# Altium PCB MIN_MOW_Moway_V3 PCB.PcbDoc (part 2 of 2)
Units mm, origin at the board's own origin, x right, y up, seen from the top; angles counter-clockwise.
Board outline 85.53 x 38 mm, 4 copper layers (Top Layer, Mid-Layer 1, Mid-Layer 2, Bottom Layer), stack 1 mm thick; 188 components, 131 nets, 594 pads, 338 vias.
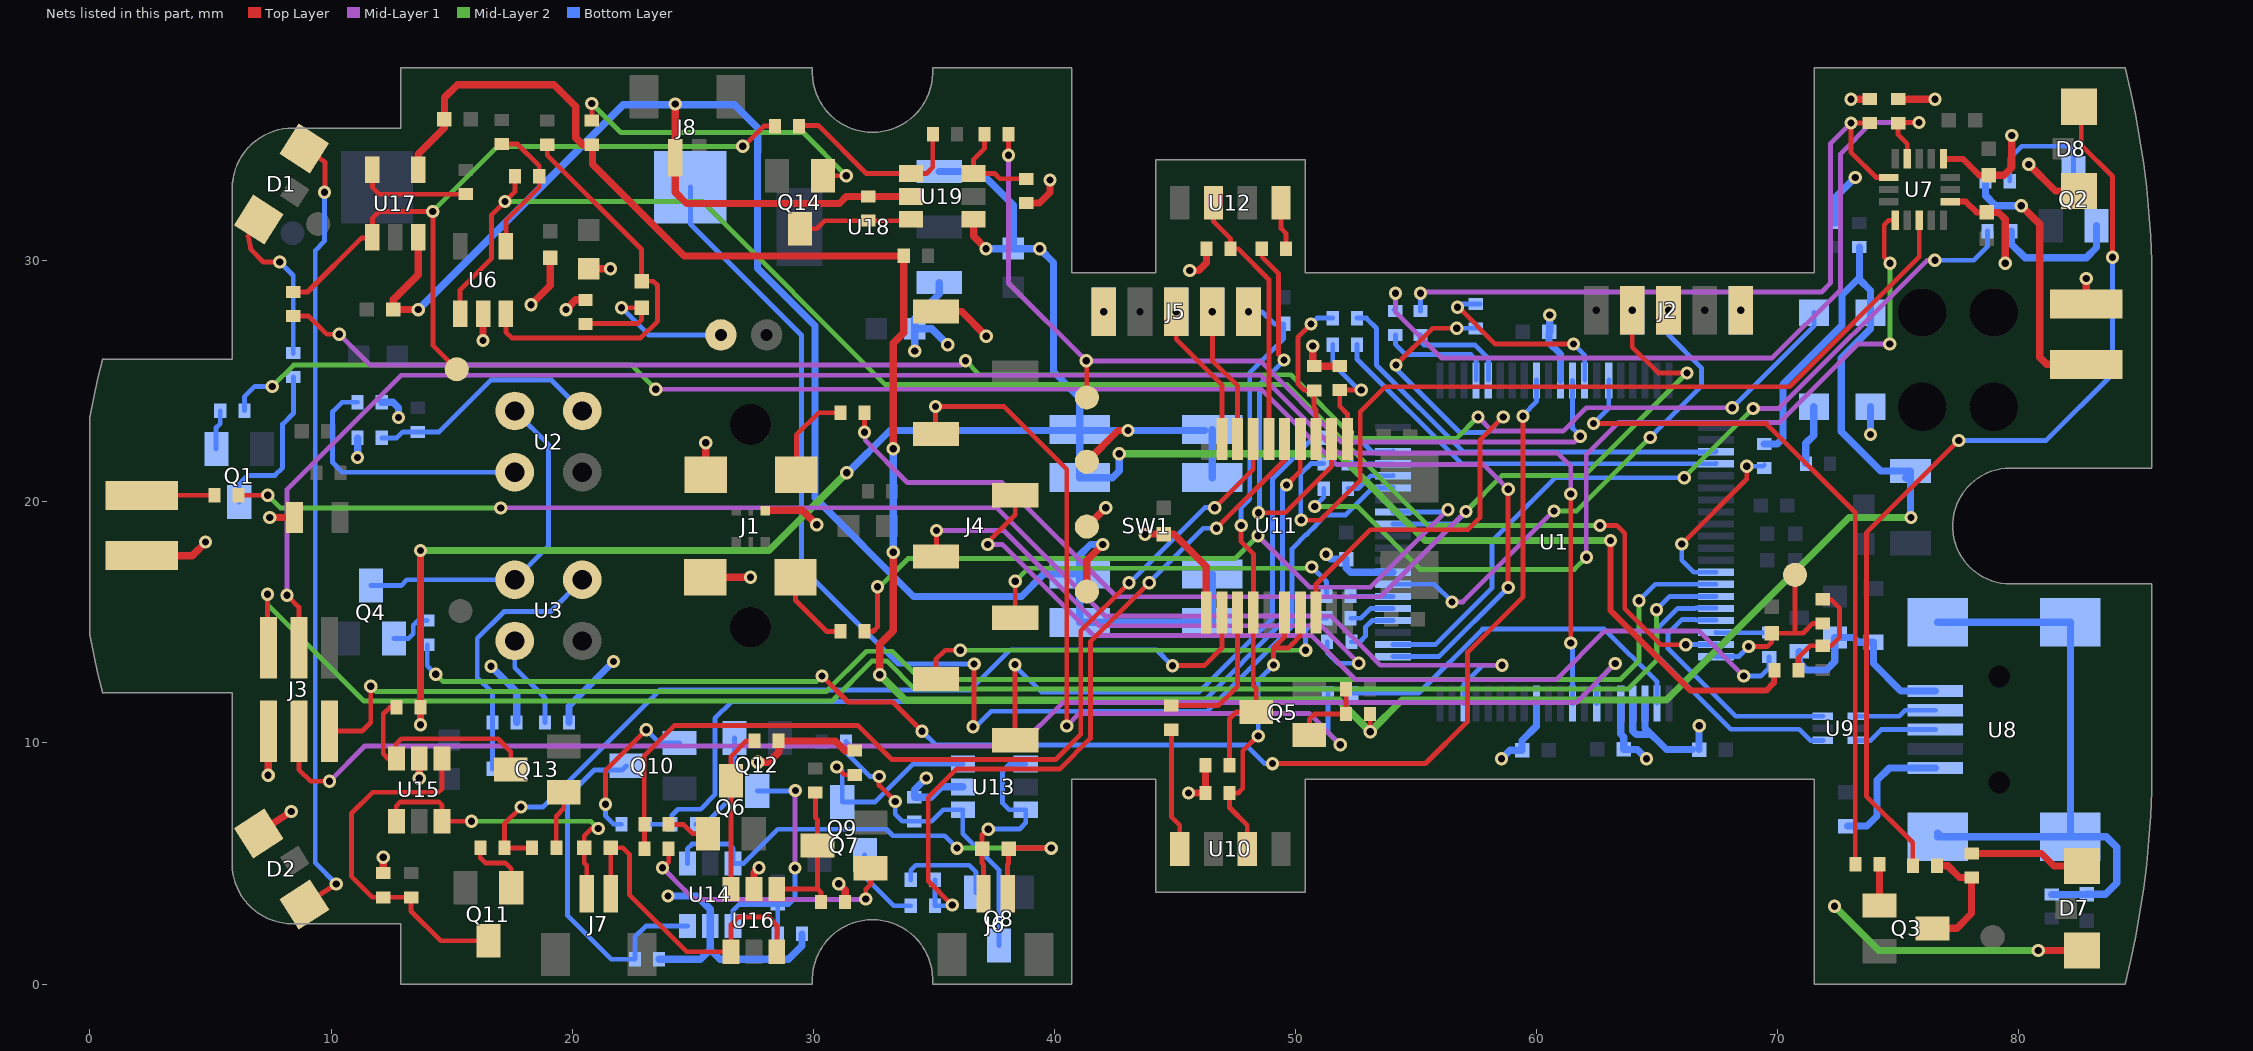
[diagram p4: the nets of this part, all layers, seen from the top]

## Via types
v1: diameter 0.55, hole 0.3, Top Layer to Bottom Layer, tented both sides, 338 vias

## Nets (pads, with @x,y where several pads share a name; then routed paths per layer and width w, separated by ;. In a path a pad name is that pad's centre, name@x,y a point inside that pad or via, vN(x,y) a via of type N, cw(c..) or ccw(c..) an arc to the next point about the centre after c; other vN are vias at no path point) (continued)
NetC19_2: C19.2 R44.2 U8.6 U8.7 U8.8 U8.9 | length 26.6
  Bottom Layer w0.3: U8.6@76.645,6.107 U8.6@76.795,6.107 ; U8.6@76.645,6.257 U8.6@76.795,6.107 ; U8.9@76.645,15.007 U8.8@82.145,15.007 U8.7@82.145,6.107 ; R44.2@81.376,3.72 82.814,3.72 C19.2@82.818,3.725 83.6,3.725 84.069,4.194 84.069,5.672 83.634,6.107 U8.7@82.145,6.107 U8.6@76.795,6.107
NetC21_1: C21.1 R46.2 U6.3 | length 16.9
  Top Layer w0.2: U6.3@17.255,27.805 17.255,27.04 17.495,26.8 22.843,26.8 23.543,27.5 23.543,28.975 23.363,29.155 C21.1@22.88,29.155 22.88,30.47 18.967,34.383 R46.2@18.967,34.814
NetC21_2: C21.2 MK1.2 R45.1 | length 8.3
  Top Layer w0.2: R45.1@20.555,27.405 22.73,27.405 22.88,27.555 C21.2@22.88,28.055 22.055,28.055 v1(22.05,28.05)
  Bottom Layer w0.2: v1(22.05,28.05) 23.173,26.927 MK1.2@26.17,26.927
NetC23_1: C23.1 J6.2 U13.4 U13.6 | length 8.5
  Top Layer w0.2: C23.1@37,5.639 37,5.029 37.064,4.965 J6.2@37.064,3.751 ; C23.1@37.008,5.639 37.008,6.198 37.236,6.426 v1(37.262,6.426)
  Bottom Layer w0.2: v1(37.262,6.426) 38.557,6.426 38.815,6.684 U13.6@38.815,7.231 38.13,7.231 37.855,7.507 37.855,8.831 38.156,9.131 U13.4@38.815,9.131
NetC23_2: C23.2 J6.1 U14.4 U14.6 | length 21.1
  Top Layer w0.2: J6.1@38.064,3.751 38.064,4.968 38.1,5.004 C23.2@38.1,5.639 ; C23.2@38.108,5.639 v1(39.878,5.639)
  Mid-Layer 2 w0.2: v1(35.966,5.639) v1(39.878,5.639)
  Bottom Layer w0.2: U14.4@24.78,5.005 24.78,5.611 24.974,5.805 26.505,5.805 26.68,5.63 U14.6@26.68,5.005 27.117,5.005 28.537,6.425 33.04,6.425 33.311,6.154 35.451,6.154 v1(35.966,5.639)
NetC24_1: C24.1 J7.2 U15.4 U15.6 | length 13.1
  Top Layer w0.2: U15.4@12.709,6.754 12.709,7.384 12.879,7.554 14.465,7.554 14.609,7.41 U15.6@14.609,6.754 15.822,6.754 v1(15.824,6.756) ; J7.2@20.605,3.751 20.605,4.92 20.505,5.02 C24.1@20.505,5.655 20.505,6.154 20.803,6.452 v1(21.082,6.452)
  Mid-Layer 2 w0.2: v1(15.824,6.756) 20.777,6.756 v1(21.082,6.452)
NetC24_2: C24.2 J7.1 U16.4 U16.6 | length 15.3
  Top Layer w0.2: 21.605,4.953 J7.1@21.605,3.751 C24.2@21.605,5.655 22.107,5.655 22.377,5.385 22.377,3.708 24.747,1.339 U16.4@26.59,1.339 ; U16.4@26.593,1.339 26.593,2.468 26.912,2.787 28.148,2.787 28.493,2.442 U16.6@28.493,1.339
NetC26_2: C26.2 D10.1 F1.1 R36.1 R37.2 R49.1 R80.2 R83.2 U17.4 | length 115.5
  Top Layer w0.2: R49.1@53.095,11.202 53.106,11.191 53.105,11.189 v1(53.105,10.465)
  Top Layer w0.3: U17.4@13.619,33.769 13.619,34.428 14.701,35.511 14.701,36.758 15.243,37.3 19.25,37.3 20.15,36.4 20.15,35.1 20.436,34.814 R80.2@20.821,34.814 ; R80.2@20.847,34.814 20.847,34.003 24.649,30.201 33.751,30.201 R83.2@33.755,30.205 33.755,27.015 33.325,26.585 v1(33.325,22.2) ; v1(32.759,12.827) 32.759,14.09 33.325,14.656 v1(33.325,17.907)
  Mid-Layer 2 w0.3: v1(32.759,12.827) 33.817,11.769 51.8,11.769 v1(53.105,10.465) 54.423,11.783 58.865,11.783 ; 58.865,11.783 65.396,11.783 72.968,19.355 v1(75.54,19.355)
  Bottom Layer w0.3: v1(33.325,17.907) v1@33.325,22.149 ; R36.1@69.45,22.4 69.986,22.4 70.225,22.638 70.225,24.875 72.675,27.325 72.675,28.581 73.38,29.286 73.404,29.263 73.404,29.218 73.855,28.766 73.855,27.18 72.639,25.964 72.639,22.916 74.268,21.287 F1.1@75.514,21.287 75.514,19.38 v1(75.54,19.355) ; 73.393,29.299 R37.2@73.393,30.575 ; F1.1@75.312,21.006 F1.1@75.336,20.982
NetC29_2: C29.2 R82.2 TP3.1 U1.20 | length 7.6
  Top Layer w0.2: v1(68.8,14) 69.575,14 69.755,14.18 C29.2@69.755,14.555 70.727,14.555 ; TP3.1@70.727,16.975 70.727,14.555 ; R82.2@71.873,14.963 71.463,14.963 71.055,14.555 70.727,14.555
  Bottom Layer w0.2: U1.20@67.446,13.581 68.381,13.581 v1(68.8,14)
NetC31_2: C31.2 J5.1 Q5.3 R48.1 U11.4 | length 22.1
  Top Layer w0.2: R48.1@47.268,9.075 47.268,11.005 47.543,11.28 Q5.3@48.38,11.28 48.38,12.263 48.255,12.388 U11.4@48.255,15.413 ; v1(47.75,19.025) 47.75,18.35 48.256,17.844 U11.4@48.256,15.24
  Bottom Layer w0.2: v1(47.75,19.025) 47.75,19.75 48.108,20.108 48.108,25.349 49.505,26.746 C31.2@49.505,27.381 49.124,27.381 48.616,27.889 J5.1@48.056,27.889
NetD1_1: D1.1 R1.2 | length 7.5
  Top Layer w0.2: D1.1@6.67,31.374 D1.1@7.004,31.708 6.562,31.019 6.684,30.464 7.196,29.951 v1(7.869,29.951)
  Bottom Layer w0.2: v1@7.869,30.127 v1(7.869,29.951) 8.43,29.39 R1.2@8.43,26.18 R1.2@8.43,26.155
NetD1_2: D1.2 D2.1 | length 33.1
  Top Layer w0.2: D1.2@8.893,34.655 9.736,34.115 9.745,34.073 9.745,32.859 v1(9.728,32.842) ; D2.1@8.895,3.301 v1@10.206,4.142
  Bottom Layer w0.2: v1(9.728,32.842) 9.728,30.81 9.343,30.425 9.343,5.025 v1(10.218,4.15)
NetD3_1: D3.1 R4.2 | length 10.9
  Top Layer w0.3: v1(80.106,32.286) 80.875,31.517 80.875,26 81.17,25.705 D3.1@82.805,25.705
  Bottom Layer w0.3: R4.2@78.63,33.305 78.63,32.695 79.039,32.286 v1(80.106,32.286)
NetD4_2: D4.2 R9.2 | length 3.9
  Top Layer w0.2: D4.2@29.295,21.127 29.305,21.137 29.305,22.78 30.225,23.7 R9.2@31.125,23.7
NetD5_2: D5.2 R13.2 | length 3.8
  Top Layer w0.2: D5.2@28.955,17.08 D5.2@29.27,16.765 ; D5.2@29.27,16.877 D5.2@29.27,16.765 ; R13.2@31.125,14.625 30.555,14.625 29.27,15.91 D5.2@29.27,16.765
NetD6_2: D6.2 R14.2 | length 3
  Top Layer w0.2: D6.2@2.152,20.269 2.158,20.275 R14.2@5.168,20.275
NetD7_1: D7.1 R15.2 | length 4.8
  Top Layer w0.3: R15.2@78.048,5.417 80.943,5.417 81.463,4.897 D7.1@82.625,4.897
NetD8_1: D8.1 R20.2 | length 39.2
  Top Layer w0.2: R20.2@75.61,4.909 75.61,5.873 73.685,7.798 73.685,18.717 v1(77.518,22.55) ; D8.1@82.5,36.393 82.6,36.293 82.6,34.8 83.893,33.507 v1(83.893,30.15)
  Bottom Layer w0.2: v1(77.518,22.55) 81.143,22.55 83.893,25.3 v1(83.893,30.15)
NetD9_2: D9.2 R75.2 | length 2.5
  Bottom Layer w0.3: R75.2@71.171,21.59 71.171,22.428 71.5,22.757 71.5,23.95 D9.2@71.505,23.955
NetD10_2: D10.2 R76.2 | length 68.3
  Top Layer w0.2: R76.2@8.43,27.705 9.068,27.705 9.823,26.95 v1(10.343,26.95)
  Mid-Layer 1 w0.2: v1(10.343,26.95) 11.618,25.675 36.143,25.675 v1(36.318,25.85) ; v1(57.575,23.525) 58.164,22.936 61.105,22.936 62.07,23.901 62.071,23.9 62.072,23.901 v1(68.123,23.901)
  Mid-Layer 2 w0.2: v1(36.318,25.85) 36.893,25.275 49.818,25.275 52.468,22.625 56.675,22.625 v1(57.575,23.525)
  Bottom Layer w0.2: v1(68.123,23.901) 71.505,27.284 D10.2@71.505,27.855
NetD11_2: D11.2 L1.2 R40.1 U8.1 | length 8.8
  Bottom Layer w0.3: L1.2@70.9,13.8 70.9,13.325 71.2,13.025 72.025,13.025 72.375,13.375 R40.1@72.375,14.375 73.15,14.375 73.35,14.175 D11.2@73.975,14.175 73.975,13.297 75.115,12.157 U8.1@76.545,12.157
NetJ2_3: J2.3 U1.47 | length 20.5
  Mid-Layer 1 w0.2: v1(56.5,15.85) 56.95,15.85 v1(60.725,19.625)
  Mid-Layer 2 w0.2: v1(60.725,19.625) 61.669,19.625 v1(64.718,22.675)
  Bottom Layer w0.2: U1.47@54.046,16.581 55.769,16.581 v1(56.5,15.85) ; v1(64.718,22.675) 66.843,24.8 66.843,25.563 65.476,26.931 J2.3@65.476,27.94
NetJ2_4: J2.4 R9.1 U1.52 | length 49.4
  Top Layer w0.2: R9.1@32.125,23.7 32.125,22.8 32.131,22.806 v1(32.131,22.885) ; J2.4@63.976,27.94 63.976,26.423 65.049,25.35 v1(66.243,25.35)
  Mid-Layer 1 w0.2: v1(32.131,22.885) 32.158,22.858 32.158,22.553 33.912,20.8 37.842,20.8 42.58,16.062 53.53,16.062 57.069,19.601 v1(57.078,19.601)
  Mid-Layer 2 w0.2: v1(57.078,19.601) 58.577,21.1 61.994,21.1 v1(66.243,25.35)
  Bottom Layer w0.2: U1.52@54.046,19.081 56.562,19.081 57.078,19.596 v1(57.078,19.601)
NetJ3_2: J3.2 U1.15 | length 68.6
  Top Layer w0.2: v1@7.368,16.325 v1(7.368,16.171) 7.368,14.044 7.433,13.979 J3.2@7.4,13.946
  Mid-Layer 2 w0.2: v1(7.368,16.171) 7.368,15.732 11.359,11.741 30.785,11.741 32.445,13.402 33.048,13.402 34.217,12.233 59.051,12.233 63.795,12.233 64.975,13.413 v1(64.975,15.525)
  Bottom Layer w0.2: v1(64.975,15.525) 65.531,16.081 U1.15@67.446,16.081
NetJ3_3: J3.3 U1.27 | length 60.5
  Top Layer w0.2: J3.3@8.67,10.496 8.67,8.892 9.152,8.409 v1(9.94,8.409)
  Mid-Layer 1 w0.2: v1(9.94,8.409) 11.406,9.876 38.546,9.876 40.345,11.675 61.646,11.675 v1(63.272,13.301)
  Bottom Layer w0.2: U1.27@62.546,11.681 U1.27@62.496,11.631 62.496,12.525 v1(63.272,13.301)
NetJ3_4: J3.4 U1.29 | length 73.5
  Top Layer w0.2: v1(8.179,16.129) 8.67,15.638 J3.4@8.67,13.946 ; J3.4@8.725,14.251 J3.4@8.78,14.196 ; v1(61.425,14.15) 61.434,14.15 61.436,14.148 61.475,14.187 61.425,14.237 v1(61.425,20.325)
  Mid-Layer 1 w0.2: v1(8.179,16.129) 8.179,20.523 12.906,25.25 48.571,25.25 51.799,22.022 60.878,22.022 61.425,21.475 v1(61.425,20.325)
  Bottom Layer w0.2: U1.29@61.496,11.631 v1@61.496,14.097
NetJ3_5: J3.5 U1.14 | length 63.5
  Top Layer w0.2: J3.5@9.94,10.496 11.296,10.496 11.65,10.85 v1(11.65,12.35)
  Mid-Layer 2 w0.2: v1(11.65,12.35) 11.859,12.141 30.55,12.141 32.21,13.802 33.283,13.802 34.452,12.633 59.217,12.633 63.484,12.633 64.253,13.402 64.25,13.405 v1(64.25,15.9)
  Bottom Layer w0.2: v1(64.25,15.9) 64.931,16.581 U1.14@67.446,16.581
NetJ4_3: J4.3 R30.2 | length 32.8
  Top Layer w0.2: J4.3@35.09,22.815 35.072,22.833 v1(35.072,23.955) 37.92,23.955 40.518,21.356 v1(40.518,10.7)
  Mid-Layer 1 w0.2: v1(40.518,10.7) 41.043,11.225 50.567,11.225 v1(51.86,9.931)
  Bottom Layer w0.2: R30.2@51.359,12.065 51.359,10.433 v1(51.86,9.931)
NetJ4_4: J4.4 R33.1 | length 39.5
  Top Layer w0.2: v1(37.236,18.237) 37.236,18.319 38.38,19.462 J4.4@38.38,20.275
  Mid-Layer 1 w0.2: v1(37.236,18.237) 37.839,18.237 41.615,14.462 50.657,14.462 52.494,12.625 60.818,12.625 62.839,14.647 66.728,14.647 v1(68.6,12.775)
  Bottom Layer w0.2: v1(68.6,12.775) 69.3,12.775 69.65,13.125 R33.1@69.65,13.575
NetJ4_5: J4.5 R16.1 | length 22.8
  Top Layer w0.2: J4.5@35.09,17.735 35.125,17.77 35.119,17.776 v1(35.119,18.812)
  Mid-Layer 1 w0.2: v1@35.125,18.806 v1(35.119,18.812) 37.914,18.812 41.864,14.862 51.07,14.862 52.622,13.31 v1(52.629,13.31)
  Bottom Layer w0.2: R16.1@51.32,14.202 51.32,13.748 51.759,13.31 v1(52.629,13.31)
NetJ4_6: J4.6 R18.1 | length 15.5
  Top Layer w0.2: J4.6@38.38,15.195 v1(38.38,16.705)
  Mid-Layer 2 w0.2: v1(38.38,16.705) 38.925,17.25 v1@50.6,17.25 ; v1@50.599,17.251 50.648,17.3 v1(50.675,17.3)
  Bottom Layer w0.2: v1(50.675,17.3) 51.295,16.68 R18.1@51.295,16.102
NetJ4_7: J4.7 R17.1 | length 18.2
  Top Layer w0.2: J4.7@35.09,12.655 35.09,13.465 35.475,13.85 v1(36.1,13.85)
  Mid-Layer 2 w0.2: v1(36.1,13.85) v1(50.425,13.85)
  Bottom Layer w0.2: v1(50.425,13.85) 50.425,14.652 50.418,14.659 50.937,15.177 R17.1@51.295,15.177
NetJ4_8: J4.8 R10.1 | length 24.4
  Top Layer w0.2: v1(38.368,13.25) 38.368,10.127 J4.8@38.38,10.115
  Bottom Layer w0.2: v1(38.368,13.25) 38.368,13.212 39.462,12.119 46.008,12.119 49.057,15.168 49.057,20.964 50.747,22.655 R10.1@51.33,22.655
NetJ5_2: J5.2 U11.18 | length 5.9
  Top Layer w0.2: J5.2@46.556,27.889 46.556,25.86 47.605,24.81 U11.18@47.605,22.613 ; U11.18@47.63,22.638 U11.18@47.73,22.738
  Top Layer w0.3: U11.18@47.605,22.613 U11.18@47.63,22.638
NetJ5_3: J5.3 U11.19 | length 6.1
  Top Layer w0.2: J5.3@45.056,27.889 45.056,26.75 46.955,24.851 U11.19@46.955,22.613
NetL2_2: L2.2 U8.5 | length 5.5
  Bottom Layer w0.3: L2.2@72.898,6.553 73.711,6.553 74.125,6.967 74.125,8.45 74.632,8.957 U8.5@76.545,8.957
NetQ1_1: Q1.1 R3.2 | length 1.7
  Bottom Layer w0.2: Q1.1@5.242,22.192 5.227,22.208 5.227,23.066 5.405,23.244 R3.2@5.405,23.777
NetQ1_3: Q1.3 R1.1 | length 6.8
  Bottom Layer w0.2: Q1.3@6.192,19.992 6.192,20.742 6.55,21.1 7.674,21.1 7.993,21.419 7.993,23.225 8.445,23.676 8.445,25.165 R1.1@8.43,25.18
NetQ2_1: Q2.1 R6.2 | length 5.4
  Bottom Layer w0.3: R6.2@79.705,31.23 79.705,30.688 80.268,30.125 82.8,30.125 83.23,30.555 Q2.1@83.23,31.455
NetQ2_3: Q2.3 R4.1 | length 4.8
  Bottom Layer w0.2: R4.1@79.63,33.305 79.63,34.255 80.125,34.75 82.05,34.75 82.28,34.52 Q2.3@82.28,33.655
NetQ3_1: Q3.1 R21.2 | length 1.8
  Top Layer w0.3: Q3.1@73.919,3.264 74.225,3.57 R21.2@74.225,4.975
NetQ3_3: Q3.3 R15.1 R20.1 | length 5.4
  Top Layer w0.3: Q3.3@76.159,1.978 76.495,2.314 77.439,2.314 78.048,2.923 R15.1@78.048,4.417 77.546,4.417 77.054,4.909 R20.1@76.61,4.909
NetQ4_1: Q4.1 R38.1 | length 1.9
  Bottom Layer w0.2: Q4.1@12.605,14.33 13.212,14.33 13.411,14.529 13.411,14.884 13.601,15.074 R38.1@13.99,15.074
NetQ4_3: Q4.3 U2.1 U3.1 | length 14.2
  Bottom Layer w0.2: Q4.3@11.655,16.53 12.905,16.53 13.146,16.771 U3.1@17.624,16.771 19.025,18.172 19.025,22.37 U2.1@17.624,23.771
NetQ5_1: Q5.1 R49.2 R51.2 | length 3.3
  Top Layer w0.2: Q5.1@50.58,10.33 50.58,10.987 50.795,11.202 R49.2@52.095,11.202 R51.2@52.095,12.227
NetQ6_1: Q6.1 R67.2 | length 1.8
  Top Layer w0.2: R67.2@23.993,6.625 24.617,6.625 25.007,6.235 Q6.1@25.635,6.235
NetQ6_3: Q6.3 R61.1 U16.3 | length 7
  Top Layer w0.2: U16.3@26.593,3.699 26.593,9.45 27.228,10.086 R61.1@27.566,10.086
NetQ7_1: Q7.1 R66.2 | length 11.2
  Top Layer w0.2: v1(23.749,4.826) 24.005,5.082 R66.2@24.005,5.605 ; v1(32.182,3.531) 32.182,3.937 32.38,4.135 Q7.1@32.38,4.805
  Mid-Layer 1 w0.2: v1(23.749,4.826) 24.68,3.896 25.061,3.514 32.166,3.514 v1(32.182,3.531)
NetQ7_3: Q7.3 R60.1 R64.2 U16.1 | length 6.4
  Top Layer w0.2: U16.1@28.555,4.004 U16.1@28.49,3.939 30.186,3.939 ; R64.2@30.093,7.95 30.093,6.9 30.18,6.813 Q7.3@30.18,5.755 30.18,3.945 30.321,3.804 R60.1@30.321,3.404
NetQ8_1: Q8.1 R72.2 | length 4.2
  Bottom Layer w0.2: R72.2@34.045,4.318 34.045,4.72 34.25,4.925 36.47,4.925 36.755,4.64 Q8.1@36.755,3.805
NetQ8_3: Q8.3 R54.1 R65.2 U13.1 | length 13.6
  Top Layer w0.2: v1(32.735,8.613) 32.735,8.24 v1(33.4,7.575)
  Bottom Layer w0.2: R65.2@31.443,9.967 R65.2@31.355,10.055 31.355,9.613 32.354,8.613 v1(32.735,8.613) ; v1(33.4,7.575) 33.4,7.043 33.693,6.75 R54.1@34.2,6.75 34.919,6.75 35.4,7.231 U13.1@36.206,7.231 ; U13.1@36.215,7.231 U13.1@36.206,7.231 ; Q8.3@37.705,1.605 37.705,4.745 36.206,6.244 U13.1@36.206,7.231
NetQ9_1: Q9.1 R73.2 | length 3.3
  Bottom Layer w0.2: Q9.1@32.126,5.355 32.126,4.469 33.344,3.251 R73.2@34.045,3.251
NetQ9_3: Q9.3 R55.1 U13.3 | length 8.1
  Top Layer w0.2: v1(30.975,9) 31.295,8.68 R55.1@31.73,8.68
  Bottom Layer w0.2: v1(30.975,9) 31.056,9 31.205,8.851 Q9.3@31.205,7.555 32.566,7.555 34.137,9.126 34.137,9.131 U13.3@36.215,9.131
NetQ10_1: Q10.1 R69.2 | length 6.7
  Top Layer w0.2: v1(21.38,7.455) 21.38,8.855 v1(23.075,10.55)
  Bottom Layer w0.2: v1(21.38,7.455) 21.38,6.973 21.723,6.63 R69.2@22.055,6.63 ; v1(23.075,10.55) 23.62,10.005 Q10.1@24.455,10.005
NetQ10_3: Q10.3 R57.1 U14.3 | length 14.7
  Bottom Layer w0.2: Q10.3@22.255,9.055 22.079,8.879 20.919,8.879 19.812,7.772 19.812,2.842 21.624,1.03 R57.1@22.605,1.03 22.605,1.955 23.055,2.405 U14.3@24.78,2.405
NetQ11_1: Q11.1 R70.2 | length 2.7
  Top Layer w0.2: R70.2@16.193,5.65 16.193,5.232 16.4,5.025 17.225,5.025 17.475,4.775 Q11.1@17.475,4
NetQ11_3: Q11.3 R58.1 R63.2 U15.1 | length 15.2
  Top Layer w0.2: U15.1@14.609,9.354 14.609,8.107 14.456,7.954 11.722,7.954 10.843,7.075 10.843,4.475 11.718,3.6 R58.1@12.168,3.6 R63.2@13.318,3.6 13.318,3.025 14.543,1.8 Q11.3@16.525,1.8
NetQ12_1: Q12.1 R68.2 | length 4.5
  Bottom Layer w0.2: R68.2@25.13,6.63 25.505,6.63 26.73,7.855 Q12.1@26.731,10.206
NetQ12_3: Q12.3 R56.1 R62.2 U14.1 | length 12
  Mid-Layer 1 w0.2: v1(29.249,4.814) 29.252,4.817 29.252,8.017 v1(29.261,8.026)
  Bottom Layer w0.2: U14.1@26.68,2.405 26.68,3.055 26.93,3.305 R62.2@28.53,3.305 ; Q12.3@27.68,8.005 29.308,8.005 29.286,8.026 v1(29.261,8.026) ; v1(29.249,4.814) 29.249,3.574 28.98,3.305 R62.2@28.53,3.305 ; R62.2@28.53,3.305 R56.1@28.53,2.08 R62.2@28.53,3.305
NetQ13_1: Q13.1 R71.2 | length 2.4
  Top Layer w0.2: R71.2@19.343,5.65 19.339,5.655 19.339,6.97 19.655,7.287 Q13.1@19.655,7.955
NetQ13_3: Q13.3 R59.1 U15.3 | length 9.3
  Top Layer w0.2: R59.1@12.71,11.488 12.453,11.488 12.167,11.201 12.167,9.55 12.363,9.354 U15.3@12.709,9.354 12.709,9.967 12.918,10.175 16.925,10.175 17.455,9.645 Q13.3@17.455,8.905
NetQ14_1: Q14.1 R80.1 | length 13.5
  Top Layer w0.2: v1(20.818,36.525) 20.818,35.817 R80.1@20.821,35.814 ; Q14.1@30.399,33.531 v1(31.374,33.531)
  Mid-Layer 2 w0.2: v1(20.818,36.525) 22.021,35.322 29.583,35.322 v1(31.374,33.531)
NetQ14_3: Q14.3 R77.1 U19.3 | length 4.8
  Top Layer w0.2: Q14.3@29.449,31.331 30.137,31.331 30.471,31.664 R77.1@32.277,31.664 33.999,31.664 U19.3@34.055,31.721
NetR3_1: R3.1 U1.41 | length 65.7
  Top Layer w0.2: v1(58.825,16.45) v1(58.825,20.525)
  Mid-Layer 1 w0.2: v1(23.468,24.675) 23.937,24.675 24.413,24.675 48.58,24.675 51.7,21.555 57.795,21.555 v1(58.825,20.525)
  Mid-Layer 2 w0.2: v1(7.563,24.79) 8.447,25.675 22.468,25.675 v1(23.468,24.675)
  Bottom Layer w0.2: R3.1@6.405,23.777 6.405,24.362 6.834,24.79 v1(7.563,24.79) ; U1.41@54.046,13.581 54.048,13.582 54.614,13.582 54.616,13.581 55.956,13.581 v1(58.825,16.45)
NetR6_1: R6.1 U1.42 | length 33.3
  Mid-Layer 1 w0.2: v1(68.986,23.876) 70.053,23.876 76.203,30.025 v1(76.525,30.025)
  Mid-Layer 2 w0.2: v1(66.125,21) 66.11,21 v1(68.986,23.876)
  Bottom Layer w0.2: U1.42@54.046,14.081 55.806,14.081 58.15,16.425 58.15,18.37 60.78,21 v1(66.125,21) ; v1(76.525,30.025) 78.144,30.025 78.705,30.587 R6.1@78.705,31.23
NetR10_2: R10.2 U1.58 | length 2
  Bottom Layer w0.2: R10.2@52.33,22.655 52.603,22.655 53.177,22.081 U1.58@54.046,22.081 ; U1.58@54.046,22.105 U1.58@54.055,22.105
NetR11_1: R11.1 U7.11 | length 36.5
  Top Layer w0.2: v1@50.102,19.253 v1(50.241,19.253) 50.257,19.237 51.038,19.237 52.693,20.892 52.693,23.739 53.729,24.775 55.03,24.775 55.507,24.775 66.005,24.775 66.482,24.775 70.495,24.775 75.88,30.16 U7.11@75.88,31.68
  Bottom Layer w0.2: v1(50.241,19.253) 50.225,19.269 50.225,21.167 50.65,21.593 R11.1@51.166,21.593
NetR11_2: R11.2 U1.57 | length 1.9
  Bottom Layer w0.2: R11.2@52.166,21.593 52.178,21.581 U1.57@54.046,21.581
NetR12_1: R12.1 U7.9 | length 37.8
  Top Layer w0.2: v1(74.668,29.9) 74.422,30.146 74.422,31.496 74.606,31.68 U7.9@74.88,31.68
  Mid-Layer 1 w0.2: v1(62.075,17.7) 62.061,17.714 62.061,21.964 63.39,23.292 70.079,23.292 73.34,26.554 v1(74.649,26.554)
  Mid-Layer 2 w0.2: v1(50.8,19.812) 52.563,19.812 55.175,17.2 61.575,17.2 v1(62.075,17.7) ; v1(74.649,26.554) 74.668,26.573 v1(74.668,29.9)
  Bottom Layer w0.2: v1(50.8,19.812) 51.176,20.188 R12.1@51.176,20.551
NetR12_2: R12.2 U1.56 | length 2.1
  Bottom Layer w0.2: R12.2@52.176,20.551 52.598,20.551 53.128,21.081 U1.56@54.046,21.081 ; U1.56@54.046,21.105 U1.56@54.055,21.105
NetR13_1: R13.1 U1.53 | length 31.4
  Top Layer w0.2: R13.1@32.125,14.625 32.481,14.625 32.664,14.808 v1(32.664,16.485)
  Mid-Layer 1 w0.2: v1@48.5,18.6 v1(48.45,18.6) 50.588,16.462 53.114,16.462 v1(56.328,19.676)
  Mid-Layer 2 w0.2: v1(32.664,16.485) 32.766,16.485 33.934,17.653 47.503,17.653 v1(48.45,18.6)
  Bottom Layer w0.2: U1.53@54.046,19.581 56.233,19.581 v1(56.328,19.676)
NetR14_1: R14.1 U1.38 | length 58.8
  Top Layer w0.2: R14.1@6.268,20.175 R14.1@6.168,20.275 v1(7.375,20.275)
  Mid-Layer 1 w0.2: v1(17.043,19.75) 17.048,19.755 37.613,19.755 42.106,15.262 51.49,15.262 53.204,13.548 53.204,13.54 53.518,13.225 v1(58.568,13.225)
  Mid-Layer 2 w0.2: v1(7.375,20.275) 7.9,19.75 v1(17.043,19.75)
  Bottom Layer w0.2: U1.38@56.996,11.631 56.996,12.455 57.749,13.208 57.757,13.2 57.782,13.225 v1(58.568,13.225) ; U1.38@57.005,11.655 57.005,12.232 U1.38@57.046,12.273
NetR16_2: R16.2 U1.44 | length 2.3
  Bottom Layer w0.2: R16.2@52.32,14.202 52.68,14.202 52.905,14.427 52.905,14.805 53.181,15.081 U1.44@54.046,15.081
NetR17_2: R17.2 U1.45 | length 1.9
  Bottom Layer w0.2: R17.2@52.295,15.177 52.712,15.177 53.107,15.572 54.038,15.572 U1.45@54.046,15.581
NetR18_2: R18.2 U1.46 | length 1.8
  Bottom Layer w0.2: R18.2@52.295,16.102 52.316,16.081 U1.46@54.046,16.081
NetR19_2: R19.2 U2.2 | length 11
  Bottom Layer w0.2: R19.2@11.105,24.13 10.462,24.13 10.182,23.85 10.175,23.85 10.06,23.735 10.06,21.64 10.469,21.231 U2.2@17.624,21.231
NetR21_1: R21.1 U1.75 | length 29.2
  Top Layer w0.2: v1@62.359,23.25 69.536,23.25 73.225,19.561 R21.1@73.225,5.057 ; R21.1@73.095,4.927 R21.1@73.225,5.057 ; R21.1@73.225,4.975 R21.1@73.225,5.057
  Bottom Layer w0.2: v1(62.368,23.25) 62.368,23.259 62.996,23.887 U1.75@62.996,25.031 ; U1.75@63.005,25.031 U1.75@63.005,25.055
NetR22_1: R22.1 R28.1 U11.11 | length 5.4
  Top Layer w0.2: R22.1@51.775,24.65 R22.1@51.787,24.638 ; U11.11@52.155,22.613 52.155,23.645 51.841,23.959 R22.1@51.841,24.638 v1@52.638,24.638
  Bottom Layer w0.2: R28.1@51.55,26.525 51.55,25.736 52.648,24.638 v1(52.73,24.638)
NetR23_1: R23.1 R29.1 U11.13 | length 6.4
  Top Layer w0.2: R23.1@50.625,24.638 50.362,24.638 50.105,24.895 50.105,26.83 50.648,27.373 v1(50.648,27.381) ; R23.1@50.775,24.629 50.775,23.9 50.855,23.82 U11.13@50.855,22.613
  Bottom Layer w0.2: v1(50.648,27.381) 50.648,27.373 50.9,27.625 R29.1@51.55,27.625
NetR24_1: R24.1 R43.1 U7.6 | length 28.7
  Top Layer w0.2: R43.1@73.792,35.817 R43.1@73.83,35.855 ; R43.1@73.831,35.712 v1(73.044,35.712) 73.044,34.497 74.086,33.455 U7.6@74.355,33.455
  Mid-Layer 1 w0.2: v1(55.193,28.65) 55.25,28.707 71.826,28.707 72.202,29.084 72.202,34.871 v1(73.044,35.712)
  Bottom Layer w0.2: R24.1@55.189,27.917 55.193,27.922 v1(55.193,28.65) v1@55.214,28.65
NetR24_2: R24.2 U1.65 | length 4.3
  Bottom Layer w0.2: R24.2@55.189,26.917 55.189,26.647 55.325,26.511 57.449,26.511 58.005,25.955 U1.65@58.005,25.055
NetR25_1: R25.1 R42.1 U7.4 | length 33.9
  Top Layer w0.2: U7.4@75.38,34.23 75.38,34.856 75.001,35.234 R42.1@75.001,35.706 75.001,35.74 v1@75.863,35.74
  Mid-Layer 1 w0.2: v1(54.15,28.65) 54.15,27.892 54.143,27.885 56.058,25.971 69.779,25.971 72.612,28.803 72.612,34.442 73.907,35.738 v1(75.863,35.738)
  Bottom Layer w0.2: R25.1@54.148,27.917 54.096,27.969 54.15,28.023 v1(54.15,28.65)
NetR25_2: R25.2 U1.64 | length 4.8
  Bottom Layer w0.2: R25.2@54.148,26.917 54.148,26.546 54.582,26.111 57.283,26.111 57.505,25.889 U1.64@57.505,25.055
NetR26_1: R26.1 R27.2 U2.4 | length 9.8
  Bottom Layer w0.2: R26.1@12.105,22.655 12.73,22.655 12.98,22.905 R27.2@13.605,22.905 14.48,22.905 16.625,25.05 19.145,25.05 U2.4@20.424,23.771
NetR28_2: R28.2 U1.4 | length 17.3
  Bottom Layer w0.2: R28.2@52.55,26.525 52.55,25.926 56.895,21.581 U1.4@67.446,21.581 ; U1.4@67.446,21.605 U1.4@67.455,21.605
NetR29_2: R29.2 U1.3 | length 18.1
  Bottom Layer w0.2: R29.2@52.55,27.625 52.944,27.625 53.365,27.203 53.365,25.676 56.967,22.075 67.425,22.075 U1.3@67.431,22.081 ; U1.3@67.446,22.081 U1.3@67.431,22.081 ; U1.3@67.455,22.105 U1.3@67.431,22.081
NetR30_1: R30.1 U1.22 | length 15.5
  Bottom Layer w0.2: R30.1@52.359,12.065 55.106,12.065 57.766,14.725 62.815,14.725 65.005,12.535 U1.22@65.005,11.655
NetR31_2: R31.2 U3.2 | length 3.9
  Bottom Layer w0.2: U3.2@17.624,14.231 17.624,13.126 18.875,11.875 R31.2@18.875,10.85
NetR32_1: R32.1 U11.8 | length 23.9
  Top Layer w0.2: U11.8@50.855,15.413 50.855,16.592 53.11,18.847 57.153,18.847 57.653,19.346 57.653,22.553 v1(58.625,23.525) 58.625,23.543 v1@58.543,23.625 ; v1(54.173,25.682) 55.691,27.2 v1(56.693,27.2)
  Bottom Layer w0.2: v1(54.173,25.682) 54.173,25.53 56.828,22.875 57.975,22.875 v1(58.625,23.525) ; v1(56.693,27.2) 57.5,27.2 R32.1@57.58,27.28
NetR32_2: R32.2 U1.73 | length 8.1
  Top Layer w0.2: v1(56.725,28.075) 56.768,28.075 58.298,26.546 v1(61.539,26.546)
  Bottom Layer w0.2: v1@56.737,28.043 56.899,28.205 R32.2@57.66,28.205 ; v1(61.539,26.546) 62.005,26.08 U1.73@62.005,25.055
NetR33_2: R33.2 U1.18 | length 2.2
  Bottom Layer w0.2: U1.18@67.446,14.581 67.452,14.575 R33.2@69.65,14.575
NetR34_1: R34.1 R35.2 U3.4 | length 11
  Bottom Layer w0.2: R35.2@16.7,8.925 R34.1@16.7,10.85 16.7,12.075 16.062,12.713 16.062,14.337 17.175,15.45 19.103,15.45 U3.4@20.424,16.771
NetR36_2: R36.2 U1.13 | length 7.5
  Top Layer w0.2: v1(66.025,18.25) 68.725,20.95 v1(68.725,21.475)
  Bottom Layer w0.2: v1(66.025,18.25) 66.025,17.582 66.526,17.081 U1.13@67.446,17.081 ; v1@68.788,21.412 v1(68.725,21.475) 69.4,21.475 R36.2@69.45,21.525
NetR38_2: R38.2 U1.69 | length 62
  Top Layer w0.2: v1(30.368,12.775) 31.443,11.7 33.302,11.7 v1(34.512,10.49) ; v1(49.047,9.144) 49.053,9.15 55.397,9.15 57.143,10.897 57.143,13.768 59.443,16.068 v1(59.443,23.55)
  Mid-Layer 2 w0.2: v1(14.343,12.85) 14.637,12.557 30.15,12.557 v1(30.368,12.775)
  Bottom Layer w0.2: R38.2@13.99,14.074 13.99,13.203 v1(14.343,12.85) ; v1(34.512,10.49) 35.08,9.922 47.946,9.922 48.724,9.144 v1(49.047,9.144) ; v1(59.443,23.55) 59.443,23.6 59.996,24.153 U1.69@59.996,25.031 ; U1.69@60.005,25.031 U1.69@60.005,25.055
NetR39_1: R39.1 R41.2 U6.4 | length 5.8
  Top Layer w0.2: R41.2@17.088,34.839 17.736,34.839 18.638,33.937 R39.1@18.638,33.509 18.638,33.046 17.255,31.663 U6.4@17.255,30.605
NetR39_2: R39.2 U1.19 U6.1 | length 66.4
  Top Layer w0.2: U6.1@15.355,27.805 15.355,28.792 16.655,30.092 16.655,31.895 v1(17.221,32.461) 17.638,32.878 R39.2@17.638,33.509 ; v1(62.636,19.025) 63.325,19.025 63.66,18.69 63.66,15.565 65.153,14.072 v1(66.192,14.072)
  Mid-Layer 2 w0.2: v1(17.221,32.461) 25.389,32.461 32.975,24.875 49.643,24.875 55.494,19.025 ; 55.494,19.025 v1(62.636,19.025)
  Bottom Layer w0.2: v1@66.192,14.035 v1(66.192,14.072) 66.364,14.072 66.373,14.081 U1.19@67.446,14.081 U1.19@67.396,14.031
NetR47_1: R47.1 U10.3 U11.6 U11.7 | length 13.7
  Top Layer w0.2: U10.3@48.005,5.605 48.005,6.588 47.268,7.325 R47.1@47.268,7.925 47.625,7.925 47.818,8.118 47.818,9.669 48.45,10.3 v1(48.463,10.287) 48.476,10.3 v1@48.546,10.3 ; v1(49.092,13.233) 49.092,13.945 ; U11.6@49.555,15.413 49.555,14.408 49.092,13.945 ; U11.7@50.205,15.413 50.205,14.437 50.194,14.425 50.187,14.425 49.844,14.082 49.844,14.075 49.713,13.945 49.092,13.945
  Bottom Layer w0.2: v1(48.463,10.287) 48.463,12.605 v1(49.092,13.233)
NetR50_1: R50.1 U10.1 | length 5
  Top Layer w0.2: R50.1@44.855,10.488 44.855,6.936 45.205,6.586 U10.1@45.205,5.605
NetR50_2: R50.2 U11.3 | length 6.2
  Top Layer w0.2: R50.2@44.793,11.55 46.797,11.55 47.605,12.358 U11.3@47.605,15.413
NetR52_1: R52.1 U11.16 U12.3 | length 10.9
  Top Layer w0.2: U12.3@46.605,32.405 46.605,31.62 47.314,30.911 R52.1@47.314,30.505 47.306,30.498 47.627,30.498 48.905,29.22 U11.16@48.905,22.613
NetR53_1: R53.1 U12.1 | length 2
  Top Layer w0.2: U12.1@49.405,32.405 49.405,31.345 49.605,31.145 R53.1@49.605,30.505
NetR53_2: R53.2 U11.12 | length 16.7
  Top Layer w0.2: v1(48.468,19.55) 49.575,19.55 51.505,21.48 U11.12@51.505,22.613 ; R53.2@48.605,30.505 48.625,30.485 48.625,30.15 49.305,29.47 49.305,26.108 v1(49.53,25.883)
  Bottom Layer w0.2: v1(48.468,19.55) 48.508,19.589 48.508,24.86 v1(49.53,25.883)
NetR66_1: R66.1 R67.1 U11.17 | length 39
  Top Layer w0.2: R66.1@23.005,5.605 23.005,6.613 R67.1@22.993,6.625 22.993,9.468 24.253,10.728 31.843,10.728 33.255,9.315 40.055,9.315 41.097,10.357 41.097,14.647 v1(43.1,16.65) ; v1(46.66,19.761) 48.255,21.357 U11.17@48.255,22.613
  Bottom Layer w0.2: v1(43.1,16.65) 43.13,16.65 46.242,19.761 v1(46.66,19.761)
NetR68_1: R68.1 R69.1 U11.14 | length 39.9
  Top Layer w0.2: v1(49.632,20.701) 50.205,21.275 U11.14@50.205,22.613
  Bottom Layer w0.2: R69.1@23.055,6.63 R68.1@24.13,6.63 24.13,6.993 24.392,7.255 25.33,7.255 25.925,7.85 25.925,11.024 26.62,11.719 46.173,11.719 49.463,15.009 49.463,20.532 v1(49.632,20.701)
NetR70_1: R70.1 R71.1 U11.2 | length 37
  Top Layer w0.2: v1(17.882,7.341) 17.193,6.652 R70.1@17.193,5.65 R71.1@18.343,5.65 ; v1(44.901,13.208) 46.219,13.208 46.955,13.945 U11.2@46.955,15.413
  Bottom Layer w0.2: v1(17.882,7.341) 18.778,7.341 23.629,12.192 36.497,12.192 38.13,13.825 38.159,13.825 38.202,13.868 44.24,13.868 v1(44.901,13.208)
NetR72_1: R72.1 R73.1 U11.15 | length 30.8
  Top Layer w0.2: v1(35.768,3.275) 34.768,4.275 34.768,7.75 35.934,8.915 40.221,8.915 41.497,10.191 41.497,14.204 v1(43.943,16.65) ; U11.15@49.555,22.613 49.555,21.739 v1(46.725,18.908) ; v1(46.725,18.908) 46.685,18.868 46.652,18.835 46.652,18.796 46.725,18.869 v1(46.725,18.908)
  Bottom Layer w0.2: R72.1@35.045,4.318 R73.1@35.045,3.251 35.745,3.251 v1(35.768,3.275) ; v1(43.943,16.65) 43.943,16.668 46.184,18.908 v1(46.725,18.908)
NetR74_2: R74.2 U17.5 | length 4.7
  Top Layer w0.2: U17.5@11.719,33.769 11.719,33.053 12.009,32.763 R74.2@15.589,32.763
NetR76_1: R76.1 R78.2 TP4.1 U17.1 | length 30.3
  Top Layer w0.2: R76.1@8.43,28.705 9.023,28.705 11.271,30.952 11.701,30.952 U17.1@11.719,30.969 11.719,31.759 12.01,32.05 v1(14.218,32.05) 14.225,32.043 14.225,26.491 TP4.1@15.215,25.502 ; v1(27.076,34.747) 27.116,34.747 27.957,35.588 R78.2@28.417,35.588
  Mid-Layer 2 w0.2: v1(14.218,32.05) 16.916,34.747 v1(27.076,34.747)
NetR78_1: R78.1 R81.2 U19.1 | length 7.9
  Top Layer w0.2: R78.1@29.417,35.588 29.443,35.613 30.202,35.613 32.194,33.621 U19.1@34.055,33.621 34.706,33.621 34.961,33.877 R81.2@34.961,35.258
NetR79_1: R79.1 R82.1 R84.2 | length 4.7
  Top Layer w0.2: R79.1@70.87,13.007 70.87,13.553 71.35,14.033 R84.2@71.877,14.033 72.224,14.033 72.575,14.384 72.575,15.588 72.201,15.963 R82.1@71.873,15.963
NetR85_1: R85.1 R86.1 U19.6 | length 4.1
  Top Layer w0.2: R86.1@37.1,35.25 37.1,34.65 36.655,34.205 U19.6@36.655,33.621 37.522,33.621 37.738,33.405 R85.1@38.83,33.405
NetR86_2: R86.2 TP7.1 U1.72 | length 36.7
  Top Layer w0.2: v1(38.1,34.375) R86.2@38.1,35.25 ; v1(41.326,25.85) 41.343,25.832 TP7.1@41.343,24.333
  Mid-Layer 1 w0.2: v1(38.1,34.375) 38.1,29.076 v1(41.326,25.85) 48.537,25.85 51.908,22.479 61.572,22.479 v1(61.818,22.725)
  Bottom Layer w0.2: U1.72@61.496,25.031 61.496,23.047 v1(61.818,22.725)
NetU1_55: U1.55 U5.1 | length 52.6
  Top Layer w0.2: v1(36.625,10.675) 36.641,10.675 36.745,10.779 36.675,10.848 v1(36.675,13.275)
  Bottom Layer w0.2: U5.1@24.905,33.055 24.905,31.527 29.515,26.917 29.515,17.29 33.53,13.275 v1(36.675,13.275) ; v1(36.625,10.675) 36.735,10.675 37.38,11.319 46.339,11.319 49.863,14.843 49.863,18.058 50.458,18.653 50.479,18.653 50.867,19.04 50.867,19.062 51.264,19.459 52.085,19.459 53.207,20.581 U1.55@54.031,20.581 ; U1.55@54.046,20.581 U1.55@54.031,20.581 ; U1.55@54.055,20.605 U1.55@54.031,20.581
USB_CON_N: U8.2 U9.4 | length 3.3
  Bottom Layer w0.2: U9.4@73.332,11.109 75.047,11.109 75.295,11.357 U8.2@76.545,11.357
USB_CON_P: U8.3 U9.6 | length 3.4
  Bottom Layer w0.2: U9.6@73.332,10.109 73.857,10.109 74.305,10.557 U8.3@76.545,10.557
USB_N: U1.17 U9.3 | length 10.5
  Bottom Layer w0.2: U1.17@67.455,15.105 66.605,15.105 66.582,15.128 66.047,15.128 65.451,14.531 65.451,13.924 68.266,11.109 U9.3@71.882,11.109
USB_P: U1.16 U9.1 | length 12.3
  Bottom Layer w0.2: U1.16@67.455,15.605 66.605,15.605 66.582,15.582 65.859,15.582 64.997,14.719 64.997,13.634 68.065,10.566 70.9,10.566 71.357,10.109 U9.1@71.882,10.109
VCC: C1.2 C2.2 C3.2 C4.2 C12.2 C15.2 C16.2 C18.2 C20.2 C22.2 C27.2 D2.2 D3.2 D4.1 D5.1 D6.1 D7.2 D8.2 D9.1 J1.1 J2.1 J3.1 J4.1 J5.5 R5.2 R8.2 R19.1 R22.2 R23.2 R26.2 R31.1 R34.2 R42.2 R43.2 R45.2 R47.2 R48.2 R52.2 R85.2 TP6.1 U1.23 U1.24 U1.25 U1.32 U1.48 U1.71 U6.2 U7.1 U7.14 U11.1 U18.3 | length 96.7
  Top Layer w0.254: U7.1@76.88,34.23 77.68,34.23 78.362,33.548 C15.2@78.76,33.548 ; U7.14@76.905,32.455 77.804,32.455 78.254,32.005 C18.2@78.684,32.005
  Top Layer w0.3: D6.1@2.13,17.747 D6.1@2.152,17.769 4.241,17.769 4.814,18.341 v1(4.795,18.341) ; D2.2@7.006,6.248 7.017,6.297 v1(8.355,7.155) ; v1(7.391,8.661) 7.4,8.67 J3.1@7.4,10.746 ; v1(7.461,19.355) 8.375,19.355 8.378,19.357 8.43,19.305 R5.2@8.48,19.355 ; v1@16.305,26.596 U6.2@16.305,27.805 ; v1(18.293,28.175) 19.093,28.975 C16.2@19.093,30.125 ; v1(19.743,27.975) 20.149,28.38 R45.2@20.555,28.38 ; C20.2@20.693,29.675 v1(21.593,29.675) ; D5.1@25.52,16.877 v1(27.395,16.877) ; v1(25.543,22.45) 25.543,21.281 25.546,21.279 25.47,21.202 D4.1@25.545,21.127 ; J1.1@28.007,19.652 29.548,19.652 v1(30.15,19.05) ; J4.1@35.09,27.895 36.157,27.895 v1(37.179,26.873) ; J4.1@35.09,28.095 J4.1@35.268,27.917 ; R85.2@38.83,32.401 39.385,32.401 39.822,32.838 v1(39.822,33.353) ; TP6.1@41.351,18.974 v1(42.139,19.761) ; v1(43.764,18.644) 43.764,18.663 C22.2@44.546,18.664 ; C22.2@44.571,18.672 44.955,18.672 46.305,17.322 U11.1@46.305,15.413 ; v1(45.568,7.925) R47.2@46.268,7.925 R48.2@46.268,9.075 ; v1(45.618,29.6) 45.993,29.6 46.314,29.92 R52.2@46.314,30.505 ; v1(50.724,26.467) 50.724,25.679 R23.2@50.775,25.629 51.832,25.629 R22.2@51.841,25.638 ; v1@73.056,36.766 73.05,36.76 v1(73.05,36.7) 73.775,36.7 73.8,36.725 73.822,36.703 R43.2@73.831,36.712 ; R42.2@75.001,36.706 v1(76.531,36.706) ; C18.2@78.684,32.005 79.168,32.005 79.446,31.727 79.443,31.725 v1(79.443,29.9) ; C15.2@78.76,33.548 79.392,33.548 79.718,33.875 v1(79.718,35.2) ; v1(80.418,34) 80.418,34.004 81.529,32.893 D8.2@82.5,32.893 ; v1@80.805,1.405 v1(80.813,1.397) D7.2@82.625,1.397 ; D3.2@82.805,28.205 v1(82.805,29.262)
  Mid-Layer 2 w0.3: v1(72.365,3.226) 74.193,1.397 v1(80.813,1.397)
  Bottom Layer w0.3: v1@11.105,21.98 R26.2@11.105,22.655 ; R19.1@12.105,24.13 12.57,24.13 12.8,23.9 v1(12.8,23.5) ; v1(16.637,13.183) 17.7,12.12 R34.2@17.7,10.85 ; R31.1@19.875,10.85 19.875,11.532 v1(21.72,13.377) ; v1(34.214,26.264) C27.2@34.214,27.178 ; U18.3@35.23,29.105 35.23,28.626 34.214,27.61 C27.2@34.214,27.178 ; v1(35.579,26.518) 34.918,27.178 C27.2@34.214,27.178 ; v1(51.275,17.825) 51.47,17.63 C3.2@52.105,17.63 52.105,17.26 52.284,17.081 U1.48@54.046,17.081 ; v1(58.547,9.347) 58.903,9.703 C1.2@59.403,9.703 59.403,10.105 59.996,10.698 U1.32@59.996,11.631 ; C4.2@60.525,27.05 60.525,26.604 60.996,26.133 U1.71@60.996,25.031 ; C4.2@60.55,27.05 v1(60.55,27.75) ; U1.25@63.496,11.631 63.496,10.375 63.622,10.249 C2.2@63.622,9.731 64.183,9.731 v1(64.567,9.347) ; U1.24@63.996,11.631 63.996,10.497 64.143,10.35 64.768,10.35 65.393,9.725 ; U1.23@64.496,11.655 U1.23@64.496,11.631 64.496,10.622 65.393,9.725 ; C12.2@66.461,9.725 65.393,9.725 ; C12.2@66.743,9.728 66.743,10.719 v1(66.751,10.719) ; R8.2@72.393,31.575 72.393,32.624 v1(73.222,33.452) ; v1(73.85,22.8) 73.85,22.772 73.855,22.767 D9.1@73.855,23.955
  other v1: 11.1,21.844 16.3,26.695
VCC_BATT: C25.2 J8.1 R77.2 SW1.3 SW1.4 SW1.7 SW1.8 TP1.1 U17.3 U19.2 | length 79.1
  Top Layer w0.3: v1(13.619,27.975) 12.585,27.975 C25.2@12.58,27.98 12.58,28.387 13.619,29.425 U17.3@13.619,30.969 ; v1(24.282,36.5) 24.28,36.497 J8.1@24.28,34.28 24.28,32.845 24.744,32.381 31.091,32.381 31.375,32.664 R77.2@32.277,32.664 32.284,32.671 U19.2@34.055,32.671 ; TP1.1@41.343,16.4 41.343,17.569 v1(42.012,18.237)
  Bottom Layer w0.3: v1(13.619,27.975) 22.119,36.475 26.739,36.475 27.701,35.513 27.701,34.488 27.695,34.482 27.695,29.68 30.074,27.301 30.074,20.17 34.163,16.08 38.639,16.08 39.564,17.005 SW1.3@41.055,17.005 ; v1(42.012,18.237) 41.504,18.237 41.055,17.788 SW1.3@41.055,17.005 ; SW1.7@46.555,17.005 SW1.8@46.555,15.005 SW1.4@41.055,15.005 SW1.3@41.055,17.005
Vdc: C28.2 R54.2 R55.2 R56.2 R57.2 R58.2 R59.2 R60.2 R61.2 R79.2 SW1.1 SW1.2 SW1.5 SW1.6 TP5.1 U13.2 U14.2 U15.2 U16.2 U18.1 U19.4 | length 124.2
  Top Layer w0.254: v1(63.067,18.394) 63.067,15.503 66.397,12.173 69.523,12.173 69.848,12.498 69.848,12.985 R79.2@69.87,13.007 ; v1@63.163,18.503 v1@63.17,18.497
  Top Layer w0.3: v1(12.167,5.258) 12.167,4.652 12.193,4.625 R58.2@12.168,4.6 ; v1(13.66,8.537) U15.2@13.659,9.354 ; U15.2@13.659,9.354 U15.2@13.71,9.405 ; v1(13.709,17.983) 13.709,11.538 13.735,11.512 R59.2@13.71,11.488 v1(13.71,10.758) ; U16.2@27.543,3.699 27.543,4.617 v1(27.754,4.828) 27.655,4.828 v1@27.629,4.802 ; v1(27.695,9.2) 28.149,9.2 28.566,9.618 R61.2@28.566,10.086 ; R61.2@28.468,10.086 30.91,10.086 31.316,9.68 R55.2@31.73,9.68 ; v1(31.058,4.166) 31.33,3.893 R60.2@31.33,3.305 ; U19.4@36.655,31.721 36.655,31.013 v1(37.168,30.5) ; TP5.1@41.351,21.666 42.647,22.962 v1(43.053,22.962)
  Mid-Layer 2 w0.3: v1(13.709,17.983) 28.169,17.983 v1(31.394,21.209) ; v1(42.697,21.996) 51.784,21.996 55.38,18.4 63.061,18.4 v1(63.067,18.394) ; v1@63.081,18.394 v1@63.085,18.39
  Bottom Layer w0.3: R57.2@23.605,1.03 25.33,1.03 25.73,1.43 ; v1(23.978,3.658) 25.171,3.658 25.73,3.099 U14.2@25.73,2.405 25.73,1.43 ; R56.2@29.53,2.08 29.53,1.58 28.975,1.025 26.135,1.025 25.73,1.43 ; v1(31.394,21.209) 31.394,21.172 33.187,22.964 SW1.1@41.055,22.964 ; v1(34.693,8.55) 34.2,8.056 R54.2@34.2,7.75 34.877,7.75 35.309,8.181 U13.2@36.215,8.181 ; U18.1@35.23,33.705 36.907,33.705 38.298,32.314 C28.2@38.298,30.588 ; v1(37.168,30.5) 38.21,30.5 C28.2@38.298,30.588 ; v1(42.697,21.996) 42.697,21.285 42.417,21.005 SW1.2@41.055,21.005 SW1.1@41.055,22.964 ; SW1.5@46.255,22.964 46.252,22.962 v1(43.053,22.962) 41.057,22.962 SW1.1@41.055,22.964 ; SW1.6@46.555,21.005 SW1.5@46.555,23.005 ; C28.2@38.298,30.588 38.311,30.575 38.311,30.508 38.318,30.5 v1(39.393,30.5) 39.968,29.925 39.968,25.407 41.055,24.32 SW1.1@41.055,23.005 SW1.1@41.055,22.964
pads on no net: D1.3 D2.3 D7.3 D8.3 EXT2.0 EXT3.1 EXT3.2 EXT4.0 FD1.0 FD2.0 FD3.0 FD4.0 J1.2 J1.3 J1.4 J1.5 J6.0 J7.0 J8.0 U1.1 U1.2 U1.5 U1.6 U1.7 U1.8 U1.10 U1.34 U1.35 U1.36 U1.37 U1.39 U1.40 U1.43 U1.54 U1.59 U1.60 U1.61 U1.62 U1.63 U1.66 U1.67 U1.68 U1.74 U1.76 U1.77 U1.78 U1.79 U1.80 U7.3 U7.8 U7.13 U7.15 U7.16 U8.4 U8.MH1 U9.5 U11.5 U11.9 U11.10

## Polygon pours and split planes (outlines as drawn)
VCC on Mid-Layer 2 "VCC_MID2" (solid, remove dead copper, pour order 12): -0.107,38.128 -0.107,-0.124 85.644,-0.124 85.644,38.128
Vdc on Mid-Layer 2 "VDC_MID2" (solid, remove dead copper, pour order 6): 11.868,-0.226 11.868,11 35.44,11 35.44,-0.226
GND on Bottom Layer "GND_BOTTOM" (solid, remove dead copper, pour order 2): -0.095,38.13 -0.095,-0.095 85.625,-0.095 85.625,38.13
GND on Mid-Layer 1 "GND_MID1" (solid, remove dead copper, pour order 4): -0.095,38.105 -0.095,-0.095 85.605,-0.095 85.605,38.105
GND on Top Layer "0.254" (solid, remove dead copper, pour order 0): 0.005,38.005 0.005,-0.045 85.555,-0.045 85.605,-0.095 85.605,38.105 -0.095,38.105

## Keep-outs
Keep-Out Layer:
  lines w0.1: 0.53,12.07 cw(c26.457,19) 0,14.5 0,23.5 cw(c26.457,19) 0.53,25.93 ; 0.549,12.075 5.9,12.075 5.9,5 ccw(c8.4,5) 7.77,2.581 ccw(c8.4,5) 8.4,2.5 10.061,2.5 12.9,2.5 12.9,0 29.966,0 cw(c32.459,0.167) 34.954,0 ; 0.549,25.925 5.9,25.925 5.9,33 cw(c8.4,33) 7.614,35.373 cw(c8.4,33) 8.4,35.5 10.112,35.5 12.9,35.5 12.9,38 29.966,38 ccw(c32.459,37.833) 34.954,38 ; 34.953,0 40.725,0 40.725,8.5 44.205,8.5 44.205,3.8 50.405,3.8 50.405,8.5 71.525,8.5 71.525,0 84.414,0 ccw(c48.525,9) 85.525,9 85.525,16.6 79.674,16.6 cw(c79.662,19) 79.662,21.4 85.525,21.4 85.525,29 ccw(c48.525,29) 84.414,38 71.525,38 71.525,29.5 50.405,29.5 50.405,34.2 44.205,34.2 44.205,29.5 40.725,29.5 40.725,38 34.953,38

## Other copper
Multi-Layer:
  pour cut-out: 86.1,16.594 73.425,16.594 73.425,-0.994 86.1,-0.994
  pour cut-out: 77.565,34.646 77.565,31.267 74.187,31.267 74.187,34.646

## Silkscreen, mask and mechanical layers (free items; w line width, h text height)
Top Overlay:
  text "CLK" at 64.326,25.031 h0.6 r90
  text "GND" at 62.789,25.019 h0.6 r90
  text "DAT" at 65.786,25.019 h0.6 r90
  text "CLR" at 67.275,25.025 h0.6 r90
  text "VCC" at 68.8,25.025 h0.6 r90
  text "VCC" at 42.367,24.994 h0.6 r90
  text "GND" at 43.84,24.968 h0.6 r90
  text "DAT" at 45.39,24.968 h0.6 r90
  text "CLK" at 46.863,24.968 h0.6 r90
  text "CLR" at 48.362,24.968 h0.6 r90
  text "MIN_MOW" at 1.075,15.75 h0.6
  text "Moway_V3" at 1.075,14.7 h0.6
  text "Ene 2018" at 1.067,13.564 h0.6
Bottom Overlay:
  lines w0.1: 41.45,26.175 42.075,26.175 42.075,26.575 42.127,26.382 ; 43.498,26.382 43.55,26.575 43.55,26.2 44.175,26.2
  text "GND" at 61.1,26.85 h0.6 r270
  text "VCC" at 69.317,26.848 h0.6 r270
  text "GND" at 46.1,25.975 h0.6
  text "VCC" at 41.125,25.925 h0.6
Mechanical 2:
  circle w0.1: c17.624,23.901 r0.4
  circle w0.1: c20.424,23.901 r0.4
  circle w0.1: c20.424,21.101 r0.4
  circle w0.1: c17.624,21.101 r0.4
  circle w0.1: c17.624,16.901 r0.4
  circle w0.1: c20.424,16.901 r0.4
  circle w0.1: c20.424,14.101 r0.4
  circle w0.1: c17.624,14.101 r0.4
  circle w0.1: c27.404,23.201 r0.85
  circle w0.1: c27.404,14.801 r0.85
  lines w0.1: 0,14.5 0,0 12.9,0
  lines w0.2: 1.177,17.769 3.127,17.769 ; 1.177,20.269 3.127,20.269 ; 2.152,16.794 2.152,18.744 ; 2.152,19.294 2.152,21.244 ; 6.032,6.249 7.982,6.249 ; 6.032,31.701 7.982,31.701 ; 6.45,11.205 8.4,11.205 ; 6.45,14.755 8.675,14.755 ; 6.9,12.98 10.45,12.98 ; 7.007,5.274 7.007,7.224 ; 7.007,30.726 7.007,32.676 ; 7.425,10.23 7.425,12.18 ; 7.425,11.95 7.425,15.73 ; 7.523,5.125 9.473,5.125 ; 7.523,32.825 9.473,32.825 ; 7.72,11.205 9.67,11.205 ; 7.918,3.301 9.868,3.301 ; 7.918,34.649 9.868,34.649 ; 8.498,4.15 8.498,6.1 ; 8.498,31.85 8.498,33.8 ; 8.675,11.205 8.675,14.755 ; 8.893,2.326 8.893,4.276 ; 8.893,33.674 8.893,35.624 ; 8.99,11.205 10.94,11.205 ; 9.965,10.23 9.965,12.18 9.965,15.73 ; 10.94,14.755 8.675,14.755 ; 39.78,15.205 41.73,15.205 ; 39.78,17.205 41.73,17.205 ; 39.78,21.205 41.73,21.205 ; 39.78,23.205 41.73,23.205 ; 40.755,14.23 40.755,16.18 ; 40.755,17.205 40.755,21.205 ; 40.755,19.205 46.255,19.205 ; 40.755,22.23 40.755,24.18 ; 43.505,18.23 43.505,20.18 ; 45.28,15.205 47.23,15.205 ; 45.28,17.205 47.23,17.205 ; 45.28,21.205 47.23,21.205 ; 45.28,23.205 47.23,23.205 ; 46.255,14.23 46.255,16.18 ; 46.255,17.205 46.255,21.205 ; 46.255,22.23 46.255,24.18 ; 75.72,9.907 77.67,9.907 ; 75.72,10.707 77.67,10.707 ; 75.72,11.507 77.67,11.507 ; 75.72,12.307 77.67,12.307 ; 76.695,8.932 76.695,10.882 ; 76.695,11.332 76.695,13.282 ; 78.22,8.507 80.17,8.507 ; 78.22,12.907 80.17,12.907 ; 79.195,7.532 79.195,9.482 ; 79.195,11.932 79.195,13.882 ; 80.875,34.643 82.825,34.643 ; 81,3.147 82.95,3.147 ; 81.525,32.893 83.475,32.893 ; 81.525,36.393 83.475,36.393 ; 81.65,1.397 83.6,1.397 ; 81.65,4.897 83.6,4.897 ; 81.85,33.668 81.85,35.618 ; 81.975,2.172 81.975,4.122 ; 82.5,31.918 82.5,33.868 ; 82.5,35.418 82.5,37.368 ; 82.625,0.422 82.625,2.372 ; 82.625,3.922 82.625,5.872